# Altium PCB Copy of foxbms2-master.PcbDoc (part 9 of 11) (continued)
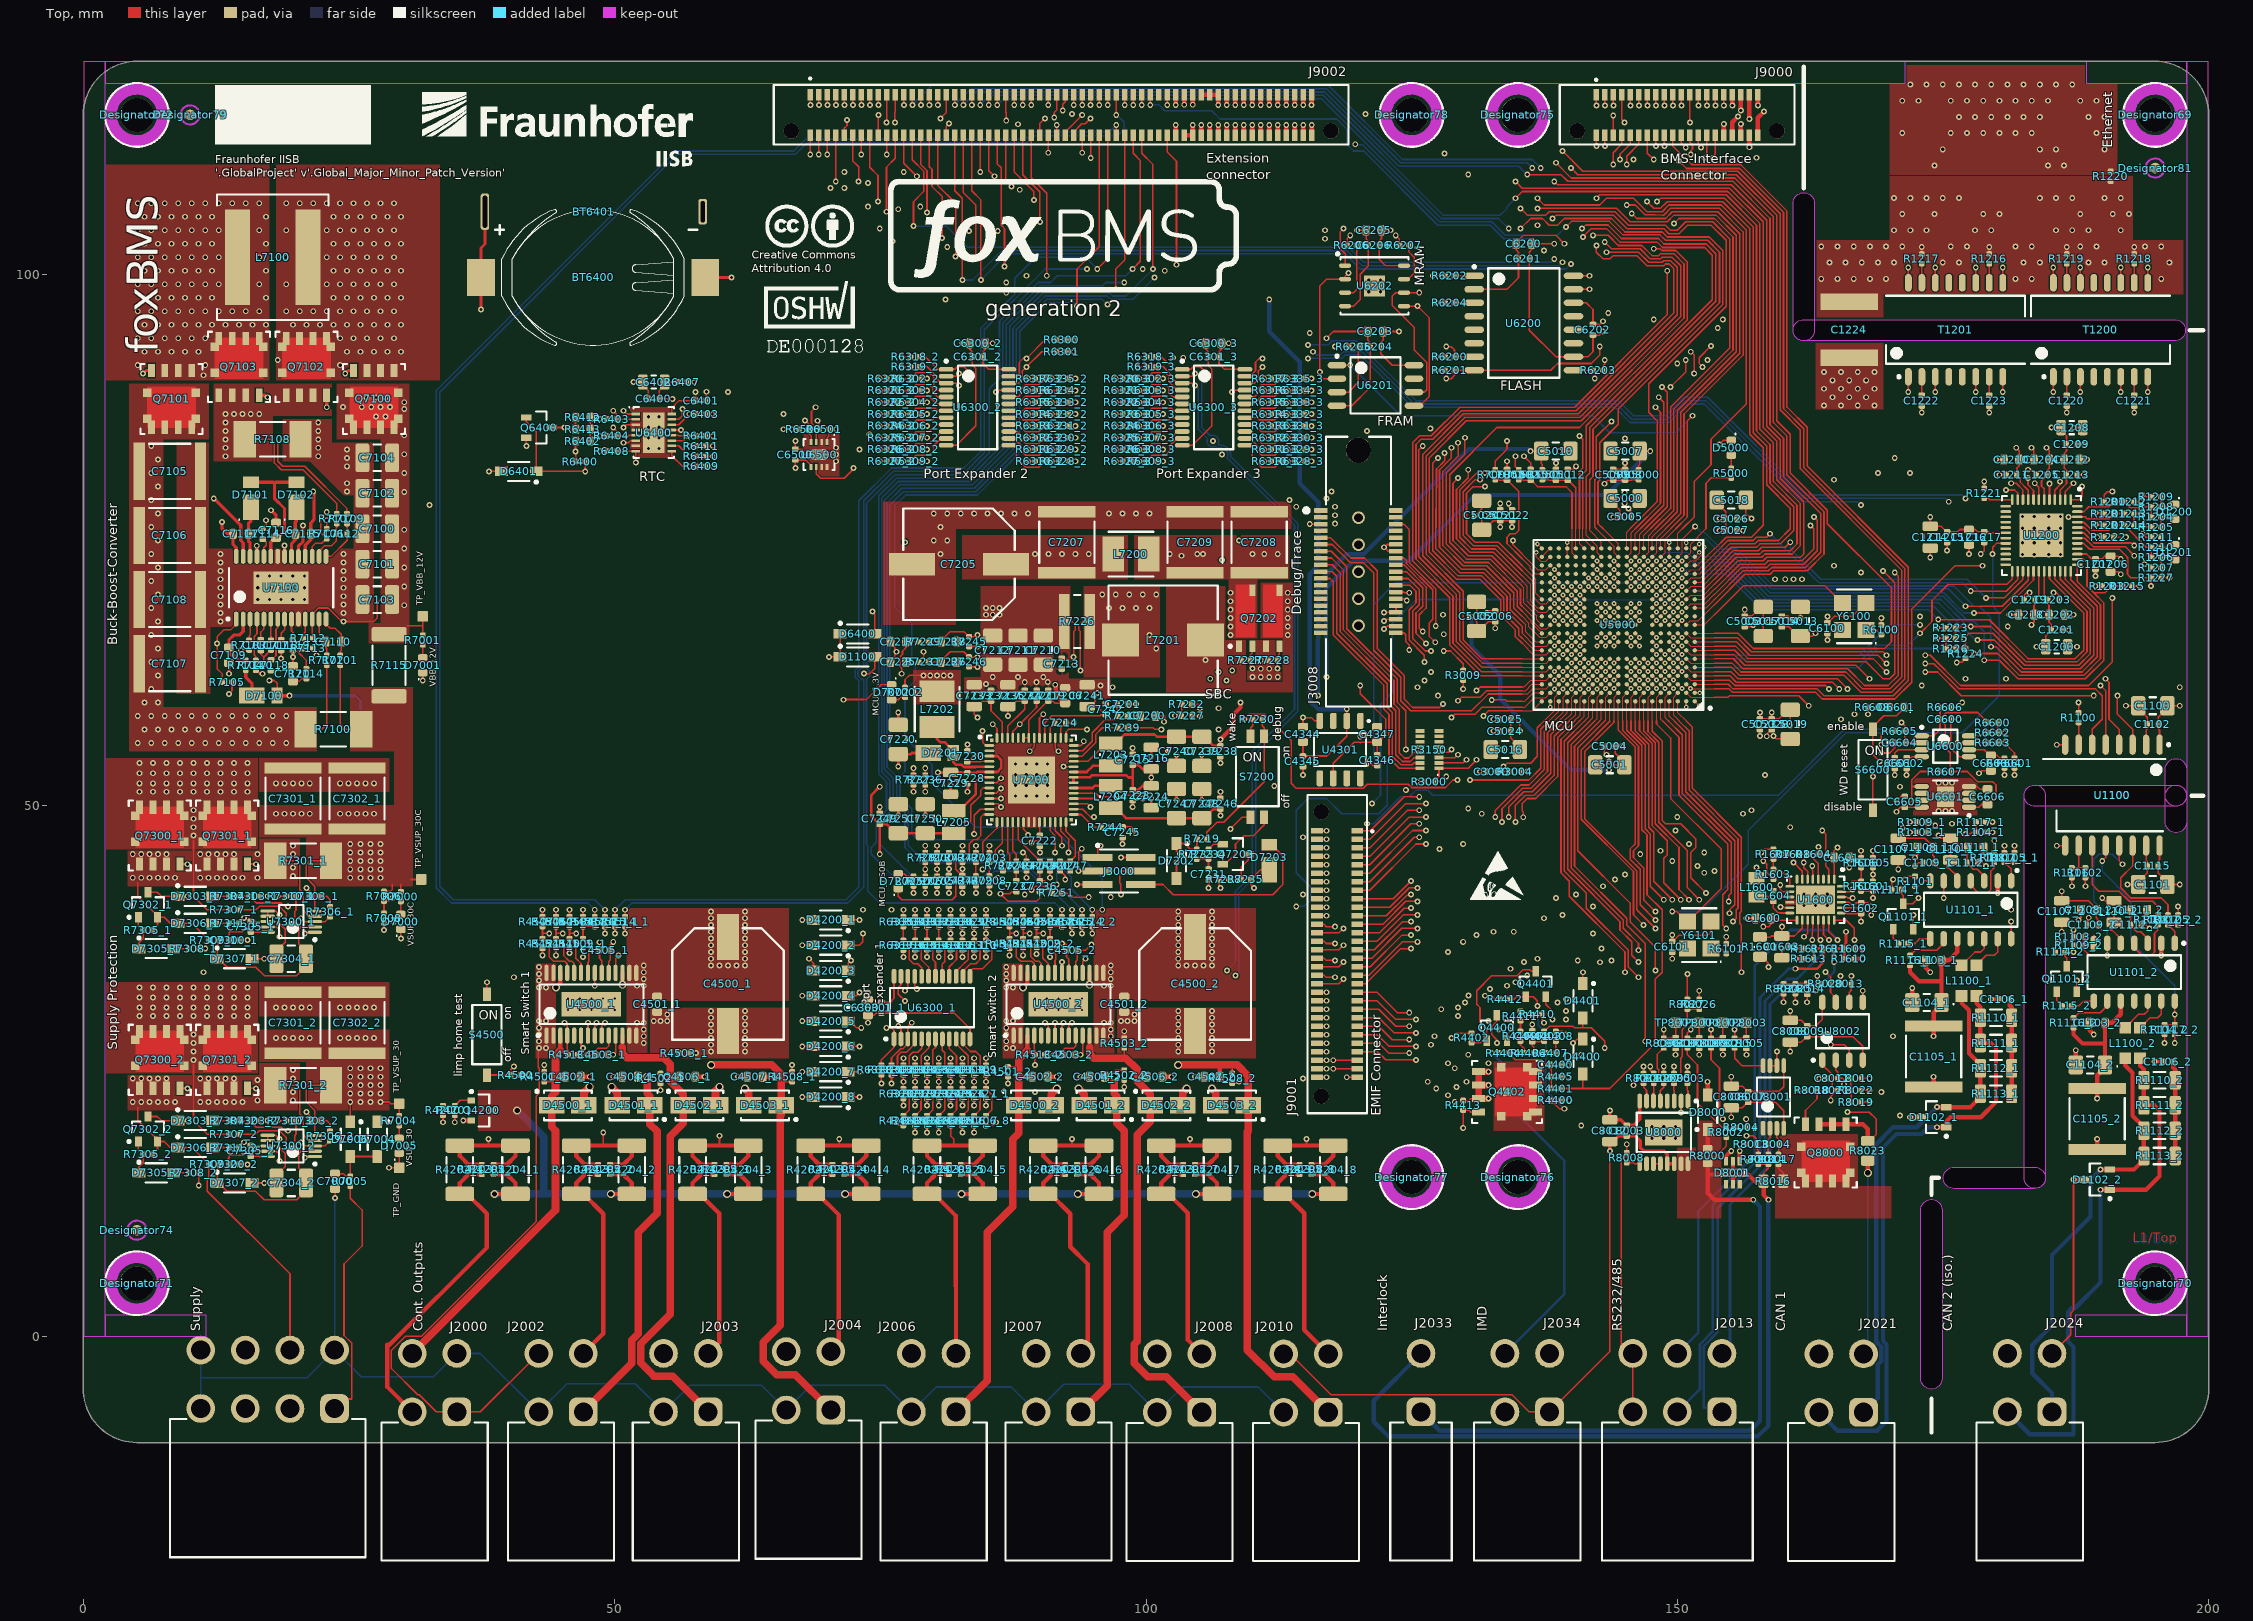
[diagram p0: Top view]
## Nets (pads, with @x,y where several pads share a name; then routed paths per layer and width w, separated by ;. In a path a pad name is that pad's centre, name@x,y a point inside that pad or via, vN(x,y) a via of type N, cw(c..) or ccw(c..) an arc to the next point about the centre after c; other vN are vias at no path point) (continued)
  Top w0.305: U7100.2@14.999,67.535 14.999,66.39 14.635,66.026 14.115,66.026 13.652,65.564 C7109.2@13.652,64.86 13.652,64.383 13.901,64.135 14.129,64.135 14.631,63.632 R7104.1@15.24,63.632
NetC7110_1: C7110.1 R7102.1 U7100.13 | length 3.7
  Top w0.152: U7100.13@22.149,67.535 22.149,66.126 22.77,65.505 C7110.1@22.77,65.405 22.77,64.828 22.86,64.738 R7102.1@22.86,64.109
NetC7110_2: C7110.2 R7101.1 U7100.14 | length 4.3
  Top w0.152: U7100.14@22.799,67.535 22.799,67.06 23.184,66.675 23.654,66.675 24.22,66.109 C7110.2@24.22,65.405 24.22,64.575 24.13,64.485 R7101.1@24.13,64.109
NetC7111_1: C7111.1 D7101.1 U7100.26 | length 4.8
  Top w0.305: U7100.26@15.649,73.435 15.649,74.72 15.489,74.88 C7111.1@15.489,75.565 15.489,76.52 15.716,76.747 D7101.1@15.716,78.049
NetC7111_2: C7111.2 L7100.1 Q7101.S Q7103.D U7100.28 | length 18.6
  Top w0.305: v2(13.018,76.676) 13.018,76.041 13.494,75.565 C7111.2@14.039,75.565 14.039,74.573 14.349,74.263 U7100.28@14.349,73.435
  Int1 (Sig) w0.305: v1(11.271,90.487) 11.906,89.852 11.906,82.074 13.018,80.962 v2(13.018,76.676)
  other v1: 5.08,91.44 11.43,91.44 5.715,92.71 6.985,92.71 8.255,92.71 9.525,92.71 10.795,92.71 5.08,93.98 6.35,93.98 7.62,93.98 8.89,93.98 10.16,93.98 11.43,93.98 5.715,95.25 6.985,95.25 8.255,95.25 9.525,95.25 10.795,95.25 12.065,95.25 13.335,95.25 14.605,95.25 15.875,95.25 17.145,95.25 5.08,96.52 6.35,96.52 7.62,96.52 8.89,96.52 10.16,96.52 11.43,96.52 12.7,96.52 13.97,96.52 15.24,96.52 16.51,96.52 5.715,97.79 6.985,97.79 8.255,97.79 9.525,97.79 10.795,97.79 12.065,97.79 17.145,97.79 5.08,99.06 6.35,99.06 7.62,99.06 8.89,99.06 10.16,99.06 11.43,99.06 12.7,99.06 16.51,99.06 5.715,100.33 6.985,100.33 8.255,100.33 9.525,100.33 10.795,100.33 12.065,100.33 17.145,100.33 5.08,101.6 6.35,101.6 7.62,101.6 8.89,101.6 10.16,101.6 11.43,101.6 12.7,101.6 16.51,101.6 5.715,102.87 6.985,102.87 8.255,102.87 9.525,102.87 10.795,102.87 12.065,102.87 17.145,102.87 5.08,104.14 6.35,104.14 7.62,104.14 8.89,104.14 10.16,104.14 11.43,104.14 12.7,104.14 16.51,104.14 5.715,105.41 6.985,105.41 8.255,105.41 9.525,105.41 10.795,105.41 12.065,105.41 17.145,105.41 5.08,106.68 6.35,106.68 7.62,106.68 8.89,106.68 10.16,106.68 11.43,106.68 12.7,106.68 13.97,106.68 15.24,106.68 16.51,106.68
NetC7112_1: C7112.1 R7109.2 U7100.15 | length 4.2
  Top w0.152: U7100.15@22.799,73.435 23.27,73.435 24.799,74.964 C7112.1@24.799,75.565 24.799,76.133 24.765,76.167 R7109.2@24.765,76.544
NetC7112_2: C7112.2 R7107.2 U7100.16 | length 4.2
  Top w0.152: U7100.16@22.149,73.435 22.149,73.91 22.692,74.454 23.336,74.454 23.779,74.896 C7112.2@23.779,75.565 23.779,76.133 23.812,76.167 R7107.2@23.812,76.544
NetC7113_1: C7113.1 U7100.8 | length 2.1
  Top w0.152: C7113.1@18.574,65.597 18.574,66.199 18.899,66.524 U7100.8@18.899,67.535
NetC7114_1: C7114.1 U7100.24 | length 1.9
  Top w0.152: C7114.1@16.828,75.055 16.877,75.055 17.171,74.761 17.171,74.48 16.949,74.257 U7100.24@16.949,73.435
NetC7115_1: C7115.1 D7102.1 U7100.20 | length 4.8
  Top w0.305: U7100.20@19.549,73.435 19.549,74.625 19.913,74.988 C7115.1@19.913,75.565 19.913,76.657 20.002,76.747 D7102.1@20.002,78.049
NetC7115_2: C7115.2 L7100.2 Q7100.S Q7102.D U7100.18 | length 20.2
  Top w0.305: U7100.18@20.849,73.435 20.849,74.476 21.361,74.988 21.362,74.988 C7115.2@21.362,75.565 21.362,76.573 21.663,76.873 21.663,79.461 v2(21.59,79.534)
  Int1 (Sig) w0.305: v1(18.256,91.916) 18.256,82.867 v2(21.59,79.534)
  other v1: 24.13,91.44 24.765,92.71 26.035,92.71 27.305,92.71 28.575,92.71 29.845,92.71 24.13,93.98 25.4,93.98 26.67,93.98 27.94,93.98 29.21,93.98 19.685,95.25 20.955,95.25 22.225,95.25 23.495,95.25 24.765,95.25 26.035,95.25 27.305,95.25 28.575,95.25 29.845,95.25 19.05,96.52 20.32,96.52 21.59,96.52 22.86,96.52 24.13,96.52 25.4,96.52 26.67,96.52 27.94,96.52 29.21,96.52 23.495,97.79 24.765,97.79 26.035,97.79 27.305,97.79 28.575,97.79 29.845,97.79 19.05,99.06 22.86,99.06 24.13,99.06 25.4,99.06 26.67,99.06 27.94,99.06 29.21,99.06 23.495,100.33 24.765,100.33 26.035,100.33 27.305,100.33 28.575,100.33 29.845,100.33 19.05,101.6 22.86,101.6 24.13,101.6 25.4,101.6 26.67,101.6 27.94,101.6 29.21,101.6 23.495,102.87 24.765,102.87 26.035,102.87 27.305,102.87 28.575,102.87 29.845,102.87 19.05,104.14 22.86,104.14 24.13,104.14 25.4,104.14 26.67,104.14 27.94,104.14 29.21,104.14 23.495,105.41 24.765,105.41 26.035,105.41 27.305,105.41 28.575,105.41 29.845,105.41 19.05,106.68 20.32,106.68 21.59,106.68 22.86,106.68 24.13,106.68 25.4,106.68 26.67,106.68 27.94,106.68 29.21,106.68
NetC7117_2: C7117.2 U7100.5 | length 2.1
  Top w0.152: C7117.2@16.669,65.598 16.669,66.327 16.949,66.607 U7100.5@16.949,67.535
NetC7118_2: C7118.2 U7100.7 | length 4.1
  Top w0.152: C7118.2@17.621,63.693 17.671,63.693 18.086,64.107 18.086,66.571 18.249,66.733 U7100.7@18.249,67.535
NetC7119_2: C7119.2 R7114.2 U7100.9 | length 5.3
  Top w0.152: U7100.9@19.549,67.535 19.549,66.413 19.685,66.277 C7119.2@19.685,65.598 19.735,65.598 20.173,65.16 20.173,64.415 20.955,63.633 R7114.2@20.955,62.839
NetC7120_2: C7120.2 R7114.1 | length 1.4
  Top w0.152: C7120.2@19.685,61.664 20.262,61.664 20.537,61.939 R7114.1@20.955,61.939
NetC7200_1: C7200.1 R7210.1 | length 1.2
  Top w0.152: R7210.1@98.24,58.42 C7200.1@99.446,58.42
NetC7201_1: C7201.1 R7210.2 U7200.41 | length 7.1
  Top w0.152: U7200.41@93.18,55.137 94.031,55.137 94.932,56.039 94.932,56.832 96.143,58.043 96.963,58.043 R7210.2@97.34,58.42 97.34,58.797 97.28,58.857 C7201.1@97.28,59.531
NetC7208_2: C7208.2 C7209.2 L7200.2 Q7202.7
  other v1: 107.95,66.04 107.95,66.834 107.95,67.627 107.95,68.421 107.95,69.215 107.95,70.009 103.341,73.496 102.235,73.66 104.821,73.66 105.364,73.66 110.014,73.66 111.125,73.66 112.395,73.66
NetC7214_1: C7214.1 U7200.46 | length 1.6
  Top w0.152: U7200.46@90.967,56.35 90.967,57.296 91.406,57.735 C7214.1@91.406,57.785
NetC7214_2: C7214.2 L7201.1 Q7202.1 Q7202.5 R7227.2 U7200.44 | length 22.3
  Top w0.152: U7200.44@91.967,56.35 91.967,57.276 92.426,57.735 C7214.2@92.426,57.785 v2(93.186,57.785) ; v2(105.6,63.69) L7201.1@105.6,65.564
  Int3 (Sig) w0.152: v1(93.267,63.227) 93.539,63.5 104.195,63.5 104.385,63.69 v2(105.6,63.69)
  Int1 (Sig) w0.152: v2(93.186,57.785) 93.186,59.891 93.267,59.972 v1(93.267,63.227)
  other v1: 113.347,66.04 113.347,66.834 113.347,67.627 113.347,68.421 113.347,69.215 113.347,70.009
NetC7227_2: C7227.2 R7232.1 U7200.38 | length 17.1
  Top w0.152: v2(92.234,53.657) 92.254,53.638 U7200.38@93.18,53.638 ; v2(102.731,58.431) 102.731,58.42 C7227.2@103.312,58.42 103.312,58.832 103.373,58.892 R7232.1@103.373,59.531
  Int3 (Sig) w0.152: v2(92.234,53.657) 98.108,53.657 100.013,55.562 101.6,55.562 v1(102.076,55.086)
  Int1 (Sig) w0.152: v1(102.076,55.086) 102.076,56.592 102.731,57.247 v2(102.731,58.431)
NetC7231_2: C7231.2 R7233.1 R7234.1 | length 2.1
  Top w0.152: R7233.1@104.775,44.953 R7234.1@105.886,44.953 C7231.2@105.886,44.008
NetC7244_2: C7244.2 D7200.1 R7242.1 R7243.1 U7200.14 | length 18.6
  Top w0.152: D7200.1@76.676,42.162 76.676,41.434 76.994,41.116 81.756,41.116 82.074,41.434 82.074,42.814 C7244.2@82.659,43.399 ; R7243.1@81.439,45.535 82.074,44.9 82.074,43.984 C7244.2@82.659,43.399 ; U7200.14@85.255,49.137 84.697,49.137 84.455,48.895 84.455,47.158 84.05,46.753 83.742,46.753 83.344,46.355 83.344,45.27 R7242.1@82.709,44.635 v2(82.709,44.017) C7244.2@82.709,43.399 C7244.2@82.659,43.399
NetC7300_1_1: C7300_1.1 D7306_1.2 R7310_1.1 R7311_1.2 U7300_1.9 | length 14
  Top w0.152: D7306_1.2@12.113,38.894 R7311_1.2@13.679,38.894 13.679,38.1 ; C7300_1.1@13.619,37.306 13.619,37.749 13.679,37.809 13.679,38.1 ; v2(18.256,41.434) R7310_1.1@19.076,41.434 ; v2(18.415,37.624) 18.415,38.259 18.121,38.552 U7300_1.9@17.301,38.552 16.525,38.552 16.501,38.576 15.399,38.576 14.922,38.1 13.679,38.1
  Int1 (Sig) w0.152: v2(18.256,41.434) 17.78,40.957 17.78,38.259 v2(18.415,37.624)
NetC7300_2_1: C7300_2.1 D7306_2.2 R7310_2.1 R7311_2.2 U7300_2.9 | length 13.9
  Top w0.152: D7306_2.2@12.113,17.78 R7311_2.2@13.679,17.78 13.679,17.066 ; C7300_2.1@13.619,16.192 13.619,16.794 13.679,16.854 13.679,17.066 ; v2(18.256,20.32) R7310_2.1@19.076,20.32 ; v2(18.415,16.51) 18.415,17.145 18.121,17.439 U7300_2.9@17.301,17.439 16.525,17.439 16.501,17.462 15.399,17.462 15.002,17.066 13.679,17.066
  Int1 (Sig) w0.152: v2(18.256,20.32) 17.78,19.844 17.78,17.145 v2(18.415,16.51)
NetC7303_1_2: C7303_1.2 R7306_1.1 | length 1.7
  Top w0.152: C7303_1.2@22.259,41.434 22.86,41.434 23.177,41.116 R7306_1.1@23.177,40.429
NetC7303_2_2: C7303_2.2 R7306_2.1 | length 1.7
  Top w0.152: C7303_2.2@22.259,20.32 22.86,20.32 23.177,20.002 R7306_2.1@23.177,19.315
NetC7304_1_2: C7304_1.2 D7307_1.1 R7309_1.1 R7310_1.2 U7300_1.2 | length 19.8
  Top w0.152: R7309_1.1@12.674,37.306 12.674,36.93 12.541,36.797 D7307_1.1@12.541,35.56 12.696,35.56 13.49,34.766 16.192,34.766 16.986,33.972 20.039,33.972 20.926,34.86 C7304_1.2@20.926,35.56 20.926,36.26 20.224,36.962 20.224,38.322 20.455,38.552 ; R7310_1.2@19.976,41.434 19.976,40.138 19.844,40.005 19.844,39.164 20.455,38.552 ; U7300_1.2@21.751,38.552 20.455,38.552
NetC7304_2_2: C7304_2.2 D7307_2.1 R7309_2.1 R7310_2.2 U7300_2.2 | length 19.8
  Top w0.152: R7309_2.1@12.674,16.192 12.674,15.816 12.541,15.683 D7307_2.1@12.541,14.446 12.696,14.446 13.49,13.652 16.192,13.652 16.986,12.859 20.039,12.859 20.926,13.746 C7304_2.2@20.926,14.446 20.926,15.146 20.224,15.848 20.224,17.208 20.455,17.439 ; R7310_2.2@19.976,20.32 19.976,19.024 19.844,18.891 19.844,18.05 20.455,17.439 ; U7300_2.2@21.751,17.439 20.455,17.439
NetC7305_1_2: C7305_1.2 U7300_1.10 | length 1.6
  Top w0.152: C7305_1.2@15.716,38.066 16.511,38.066 16.525,38.052 U7300_1.10@17.301,38.052
NetC7305_2_2: C7305_2.2 U7300_2.10 | length 1.6
  Top w0.152: C7305_2.2@15.716,16.952 16.511,16.952 16.525,16.939 U7300_2.10@17.301,16.939
NetC8004_1: C8004.1 R8017.1 U8001.3 | length 2.6
  Top w0.152: U8001.3@159.393,19.593 159.393,18.725 159.577,18.54 C8004.1@159.577,18.098 159.577,17.529 159.544,17.495 R8017.1@159.544,17.119 R8017.1@159.561,17.136
NetC8004_2: C8004.2 R8014.1 U8001.2 | length 2.6
  Top w0.152: R8014.1@158.591,17.119 158.591,17.495 158.557,17.529 C8004.2@158.557,18.098 158.557,18.54 158.743,18.725 U8001.2@158.743,19.593
NetC8010_2: C8010.2 R8019.2 R8021.1 R8022.2 U8002.3 | length 13
  Top w0.152: v2(164.465,22.225) 164.465,22.595 R8021.1@165.048,23.177 R8022.2@166.396,23.177 ; v2(164.465,27.464) 165.735,27.464 166.211,26.987 U8002.3@166.211,26.009 ; R8019.2@166.396,22.066 R8022.2@166.396,23.177 ; C8010.2@166.396,24.229 C8010.2@166.336,24.289 166.336,23.688 166.396,23.628 R8022.2@166.396,23.177
  Int1 (Sig) w0.152: v2(164.465,22.225) v2(164.465,27.464)
NetC8011_1: C8011.1 C8013.1 Q8000.S R8023.1 U8002.2 U8002.6 | length 32.2
  Top w0.152: U8002.2@164.941,26.009 164.941,25.082 165.134,24.89 C8011.1@165.134,24.289 165.576,24.289 165.719,24.146 v2(165.719,23.732) ; v1(166.052,21.114) 168.097,21.114 168.732,20.479 168.732,18.987 168.132,18.387 R8023.1@167.957,18.387 ; U8002.6@166.211,31.459 166.211,32.385 166.404,32.577 C8013.1@166.404,33.179 v2(166.404,33.939)
  Top w0.406: Q8000.S@163.512,19.979 164.782,19.979 Q8000.S@166.052,19.979 ; Q8000.S@165.894,19.979 167.505,19.979 167.957,19.526 R8023.1@167.957,18.387
  Int1 (Sig) w0.152: v1(166.052,21.114) 165.719,21.448 v2(165.719,23.732) 166.404,24.417 166.404,30.514 168.275,32.385 168.275,33.125 167.461,33.939 v2(166.404,33.939)
NetC8014_2: C8014.2 R8024.2 R8025.2 U8002.5 | length 8.9
  Top w0.152: R8024.2@160.02,33.179 R8025.2@161.131,33.179 161.508,33.179 161.568,33.239 C8014.2@162.243,33.239 162.292,33.239 162.987,32.544 v1(163.036,32.544) ; U8002.5@167.481,31.459 v1(167.481,32.544)
  Int3 (Sig) w0.152: v1(163.036,32.544) v1(167.481,32.544)
NetD5000_2: D5000.2 R5000.1 | length 1.2
  Top w0.152: R5000.1@155.099,81.73 D5000.2@155.099,82.961
NetD6401_1: D6401.1 Q6400.G R6400.1 U6400.13 | length 23.3
  Top w0.152: Q6400.G@41.662,86.516 41.662,86.115 42.593,85.185 D6401.1@42.593,81.439 47.19,81.439 v2(47.201,81.428) 47.205,81.433 R6400.1@47.205,82.356 ; U6400.13@55.348,85.34 55.849,85.34 55.851,85.338 v2(56.23,85.338)
  Int1 (Sig) w0.152: v2(47.201,81.428) 53.647,81.428 56.197,83.979 56.197,85.305 v2(56.23,85.338)
NetD6601_2: D6601.2 R6608.1 | length 1.1
  Top w0.152: R6608.1@168.884,59.214 D6601.2@169.956,59.214
NetD7000_2: D7000.2 R7000.1 | length 1.2
  Top w0.152: D7000.2@29.845,39.726 R7000.1@29.845,40.957
NetD7001_2: D7001.2 R7001.1 | length 1.2
  Top w0.152: D7001.2@31.909,63.882 R7001.1@31.909,65.114
NetD7002_2: D7002.2 R7002.1 | length 1.4
  Top w0.152: D7002.2@76.041,59.943 76.685,59.943 76.935,60.193 R7002.1@77.311,60.193
NetD7005_2: D7005.2 R7004.1 | length 1.2
  Top w0.152: D7005.2@29.686,18.639 R7004.1@29.686,19.87
NetD7100_1: D7100.1 R7104.2 | length 2.6
  Top w0.305: R7104.2@15.24,62.732 15.24,62.071 15.819,61.493 D7100.1@15.819,60.325
NetD7200_2: D7200.2 R7250.1 | length 1.5
  Top w0.152: D7200.2@76.676,43.562 77.228,43.562 77.478,43.312 R7250.1@78.105,43.312
NetD7201_2: D7201.2 L7202.1 U7200.5 | length 7.8
  Top w0.254: L7202.1@80.328,57.38 80.328,56.253 80.645,55.936 81.069,55.936 81.853,55.152 D7201.2@81.853,54.927 81.853,54.076 82.112,53.816 82.652,53.816 82.856,53.611 83.933,53.611 83.959,53.638 U7200.5@85.255,53.638
NetD7202_1: D7202.1 Q7203.S R7219.1 R7233.2 S7200.2 | length 15.8
  Top w0.152: v2(103.188,45.402) 103.158,45.402 102.87,45.691 D7202.1@102.87,46.403 103.616,46.403 104.166,45.853 R7233.2@104.775,45.853 104.775,46.355 104.827,46.407 R7219.1@104.827,46.831 ; v2(106.998,45.402) 107.226,45.174 Q7203.S@107.226,44.453 107.426,44.453 108.426,45.453 108.426,46.355 109.22,47.149 110.115,47.149 111.125,48.158 S7200.2@111.125,48.895
  Int3 (Sig) w0.152: v2(103.188,45.402) v2(106.998,45.402)
NetD7303_1_1: D7303_1.1 Q7300_1.G Q7302_1.C | length 7.6
  Top w0.152: Q7302_1.C@6.032,41.815 6.921,41.815 7.302,41.434 D7303_1.1@8.842,41.434 v1(9.764,41.434) ; Q7300_1.G@9.049,44.474 9.741,44.474 v1(9.764,44.45)
  Int1 (Sig) w0.152: v1(9.764,41.434) v1(9.764,44.45)
NetD7303_1_2: D7303_1.2 R7304_1.2 | length 1.6
  Top w0.152: D7303_1.2@12.113,41.434 R7304_1.2@13.679,41.434
NetD7303_2_1: D7303_2.1 Q7300_2.G Q7302_2.C | length 7.6
  Top w0.152: Q7302_2.C@6.032,20.701 6.921,20.701 7.302,20.32 D7303_2.1@8.842,20.32 v1(9.764,20.32) ; Q7300_2.G@9.049,23.36 9.741,23.36 v1(9.764,23.336)
  Int1 (Sig) w0.152: v1(9.764,20.32) v1(9.764,23.336)
NetD7303_2_2: D7303_2.2 R7304_2.2 | length 1.6
  Top w0.152: D7303_2.2@12.113,20.32 R7304_2.2@13.679,20.32
NetD7305_1_1: D7305_1.1 Q7302_1.B R7305_1.1 | length 3.3
  Top w0.152: Q7302_1.B@5.132,39.465 5.132,38.709 R7305_1.1@5.583,38.259 5.583,37.46 5.191,37.069 D7305_1.1@5.191,36.512
NetD7305_1_2: D7305_1.2 R7308_1.2 | length 1.4
  Top w0.152: D7305_1.2@8.461,36.512 R7308_1.2@9.869,36.512
NetD7305_2_1: D7305_2.1 Q7302_2.B R7305_2.1 | length 3.3
  Top w0.152: Q7302_2.B@5.132,18.351 5.132,17.595 R7305_2.1@5.583,17.145 5.583,16.347 5.191,15.955 D7305_2.1@5.191,15.399
NetD7305_2_2: D7305_2.2 R7308_2.2 | length 1.4
  Top w0.152: D7305_2.2@8.461,15.399 R7308_2.2@9.869,15.399
NetD8000_1: D8000.1 R8000.2 | length 1.8
  Top w0.406: R8000.2@152.876,17.686 D8000.1@152.876,19.479
NetL1100_1_2: L1100_1.2 U1101_1.12 | length 3.7
  Top w0.152: L1100_1.2@176.782,34.941 178.036,36.195 178.594,36.195 178.911,36.512 U1101_1.12@178.911,37.439
NetL1100_1_3: L1100_1.3 U1101_1.13 | length 3.8
  Top w0.152: L1100_1.3@178.182,34.941 179.119,35.877 179.864,35.877 180.181,36.195 U1101_1.13@180.181,37.439
NetL1100_2_2: L1100_2.2 U1101_2.12 | length 3.7
  Top w0.152: L1100_2.2@192.181,29.067 193.435,30.321 193.992,30.321 194.31,30.639 U1101_2.12@194.31,31.565
NetL1100_2_3: L1100_2.3 U1101_2.13 | length 3.8
  Top w0.152: L1100_2.3@193.581,29.067 194.518,30.004 195.262,30.004 195.58,30.321 U1101_2.13@195.58,31.565
NetL7201_2: L7201.2 R7226.1 U7200.42 | length 13.7
  Top w0.152: U7200.42@93.18,55.638 93.896,55.638 94.139,55.88 v2(94.139,56.039) ; v2(93.821,62.706) 93.821,66.358 93.662,66.516 93.662,66.992 93.98,67.31 R7226.1@94.704,67.31
  Int1 (Sig) w0.152: v2@93.821,62.865 v2(93.821,62.706) 93.821,56.832 94.139,56.515 v2(94.139,56.039)
  other v1: 100.965,64.77 100.33,66.04 96.52,68.58 97.79,68.58 99.06,68.58 100.33,68.58 95.885,69.85 97.155,69.85 98.425,69.85 99.695,69.85 100.965,69.85
NetL7203_1: L7203.1 U7200.37 | length 3.7
  Top w0.254: U7200.37@93.18,53.138 94.413,53.138 94.989,53.714 L7203.1@96.679,53.714
NetL7204_1: L7204.1 U7200.34 | length 3.6
  Top w0.254: U7200.34@93.18,51.637 94.976,51.637 95.194,51.855 L7204.1@96.679,51.855
NetL7205_1: L7205.1 U7200.7 | length 5.3
  Top w0.254: L7205.1@81.915,49.474 82.38,49.474 83.979,51.072 83.979,52.229 84.387,52.637 U7200.7@85.255,52.637
NetQ1101_1_G: Q1101_1.G R1115_1.1 | length 1.5
  Top w0.152: Q1101_1.G@170.341,38.329 170.341,37.626 170.339,37.624 170.339,37.491 R1115_1.1@170.841,36.989
NetQ1101_2_D: Q1101_2.D R1114_2.2 | length 1.4
  Top w0.152: R1114_2.2@186.505,36.195 186.505,35.818 186.69,35.633 Q1101_2.D@186.69,34.855
NetQ1101_2_G: Q1101_2.G R1115_2.1 | length 1.5
  Top w0.152: Q1101_2.G@185.74,32.455 185.74,31.752 185.737,31.75 185.737,31.618 R1115_2.1@186.24,31.115
NetQ4200_G: Q4200.G R4200.2 R4201.2 | length 2.9
  Top w0.152: R4200.2@33.814,21.723 R4201.2@34.925,21.723 35.425,22.223 Q4200.G@36.481,22.223
NetQ4400_D: Q4400.D Q4402.G R4413.2 | length 17
  Top w0.152: v1(129.857,19.607) R4413.2@129.857,21.299 130.398,21.299 130.583,21.114 Q4402.G@131.31,21.114 ; v1(133.032,27.622) 133.032,27.94 132.556,28.416 132.556,29.173 133.032,29.65 Q4400.D@133.032,30.251
  Int1 (Sig) w0.152: v1(129.857,19.607) 131.684,19.607 133.509,21.431 133.509,27.146 v1(133.032,27.622)
NetQ4400_G: Q4400.G Q4401.D R4402.1 | length 13
  Top w0.152: R4402.1@130.651,27.649 131.478,27.649 131.681,27.851 Q4400.G@132.082,27.851 132.082,28.89 131.445,29.527 131.445,30.956 131.127,31.274 131.127,32.544 132.556,33.972 134.938,33.972 135.492,34.527 136.134,34.527 136.282,34.379 Q4401.D@136.684,34.379
NetQ4401_G: Q4401.G R4400.2 R4412.2 | length 15.6
  Top w0.152: R4412.2@134.276,31.75 134.653,31.75 134.882,31.979 Q4401.G@135.734,31.979 136.455,31.979 136.843,31.591 v1(136.843,31.115) ; R4400.2@138.139,22.225 138.932,21.431 v1(139.382,21.431)
  Bottom w0.152: v1(136.843,31.115) 136.843,29.853 136.923,29.773 136.923,29.298 137.636,28.585 137.636,23.177 v1(139.382,21.431)
NetQ7100_G: Q7100.G U7100.19 | length 20
  Top w0.305: U7100.19@20.199,73.435 20.199,74.401 20.637,74.84 v2(20.637,76.359) ; v1(24.606,90.646) 24.9,90.94 Q7100.G@25.4,90.94
  Int1 (Sig) w0.305: v2(20.637,76.359) 20.637,76.517 23.654,79.534 23.654,89.694 v1(24.606,90.646)
NetQ7101_G: Q7101.G U7100.27 | length 22
  Top w0.305: v1(5.556,90.646) 5.85,90.94 Q7101.G@6.35,90.94 ; v2(12.224,78.899) 14.764,76.359 14.764,74.93 14.999,74.695 U7100.27@14.999,73.435
  Int1 (Sig) w0.305: v1(5.556,90.646) 5.556,85.566 v2(12.224,78.899)
NetQ7102_G: Q7102.G U7100.21 | length 16.8
  Top w0.305: v2(18.891,74.454) 18.899,74.446 U7100.21@18.899,73.435 ; v1(22.86,87.471) Q7102.G@22.86,88.606
  Int1 (Sig) w0.305: v2(18.891,74.454) 18.891,75.724 22.86,79.692 v1(22.86,87.471)
NetQ7102_S: Q7102.S Q7103.S R7107.1 R7108.2 | length 13.3
  Top w0.152: R7108.2@15.155,84.455 17.621,84.455 17.939,84.138 17.939,82.233 18.574,81.597 20.637,81.597 23.812,78.422 R7107.1@23.812,77.444
  other v1: 13.335,82.867 13.335,83.661 13.335,84.455 13.335,85.249 13.335,86.042 13.335,86.836 14.129,86.836 14.922,86.836 15.716,86.836 16.51,86.836
NetQ7103_G: Q7103.G U7100.25 | length 16.5
  Top w0.305: v2(16.279,74.433) v2@16.279,74.487 ; v2@16.279,74.526 v2@16.279,74.487 ; U7100.25@16.299,73.435 16.299,74.506 v2@16.279,74.487 ; v2@16.305,74.466 v2@16.311,74.472 ; Q7103.G@16.51,88.606 17.055,88.606 17.237,88.424 v1(17.304,88.424)
  Int1 (Sig) w0.305: v2(16.279,74.433) 16.279,77.557 17.304,78.581 v1(17.304,88.424)
NetQ7202_2: Q7202.2 R7227.1 U7200.45 | length 28.1
  Top w0.152: U7200.45@91.468,56.35 91.468,55.376 v2(91.757,55.086) ; v2(110.014,62.891) 109.829,62.891 109.829,64.166 110.014,64.351 Q7202.2@110.014,64.978
  Int3 (Sig) w0.152: v2(91.757,55.086) 96.361,55.086 99.727,58.452 101.886,58.452 102.235,58.102 102.235,58.092 102.499,57.828 104.863,57.828 105.322,57.828 105.453,57.828 106.8,59.175 v1(106.839,59.136) ; v1(106.839,62.547) 107.183,62.891 107.565,62.891 107.565,62.925 107.89,63.25 108.349,63.25 108.674,62.925 108.674,62.891 v2(110.014,62.891)
  Int1 (Sig) w0.152: v1(106.839,59.136) v1(106.839,62.547)
NetQ7202_4: Q7202.4 R7228.2 U7200.43 | length 27.2
  Top w0.152: U7200.43@92.468,56.35 92.468,56.908 92.71,57.15 v2(94.456,57.15) ; v2(112.369,62.891) R7228.2@112.369,63.659 112.369,64.035 112.554,64.22 Q7202.4@112.554,64.978
  Int3 (Sig) w0.152: v1(96.837,61.119) 104.457,61.119 107.591,64.253 111.007,64.253 v2(112.369,62.891)
  Int1 (Sig) w0.152: v2(94.456,57.15) 94.456,58.737 v1(96.837,61.119)
NetQ7203_D: Q7203.D R7235.2 R7238.2 | length 3.8
  Top w0.152: R7238.2@107.791,43.021 R7235.2@108.955,43.021 108.955,44.185 109.626,44.856 Q7203.D@109.626,45.402
NetQ7203_G: Q7203.G R7234.2 | length 1.5
  Top w0.152: R7234.2@105.886,45.853 106.386,46.353 Q7203.G@107.226,46.353
NetQ7300_1_D: Q7300_1.D Q7301_1.D R7307_1.2 | length 9.1
  Top w0.152: 10.319,46.672 10.319,41.434 11.589,40.164 R7307_1.2@13.679,40.164
  other v1: 10.319,47.149 10.319,47.942 10.319,48.736 10.319,49.53 5.239,51.276 6.509,51.276 7.779,51.276 9.049,51.276 10.319,51.276 11.589,51.276 12.859,51.276 14.129,51.276 15.399,51.276 5.239,52.07 6.509,52.07 7.779,52.07 9.049,52.07 10.319,52.07 11.589,52.07 12.859,52.07 14.129,52.07 15.399,52.07 5.239,53.023 6.509,53.023 7.779,53.023 9.049,53.023 10.319,53.023 11.589,53.023 12.859,53.023 14.129,53.023 15.399,53.023 5.239,53.975 6.509,53.975 7.779,53.975 9.049,53.975 10.319,53.975 11.589,53.975 12.859,53.975 14.129,53.975 15.399,53.975
NetQ7300_2_D: Q7300_2.D Q7301_2.D R7307_2.2 | length 9.1
  Top w0.152: 10.319,25.559 10.319,20.32 11.589,19.05 R7307_2.2@13.679,19.05
  other v1: 10.319,26.035 10.319,26.829 10.319,27.622 10.319,28.416 5.239,30.162 6.509,30.162 7.779,30.162 9.049,30.162 10.319,30.162 11.589,30.162 12.859,30.162 14.129,30.162 15.399,30.162 5.239,30.956 6.509,30.956 7.779,30.956 9.049,30.956 10.319,30.956 11.589,30.956 12.859,30.956 14.129,30.956 15.399,30.956 5.239,31.909 6.509,31.909 7.779,31.909 9.049,31.909 10.319,31.909 11.589,31.909 12.859,31.909 14.129,31.909 15.399,31.909 5.239,32.861 6.509,32.861 7.779,32.861 9.049,32.861 10.319,32.861 11.589,32.861 12.859,32.861 14.129,32.861 15.399,32.861
NetQ7301_1_G: Q7301_1.G R7303_1.2 | length 5.5
  Top w0.152: Q7301_1.G@15.399,44.474 16.169,44.474 v1(16.192,44.45) ; R7303_1.2@16.484,41.434 v1(17.304,41.434)
  Int1 (Sig) w0.152: v1(16.192,44.45) 15.716,43.974 15.716,43.021 v1(17.304,41.434)
NetQ7301_1_S: Q7301_1.S R7301_1.1 U7300_1.4 | length 8.2
  Top w0.152: R7301_1.1@18.012,44.767 20.002,44.767 20.32,44.45 20.32,42.057 20.637,41.739 20.637,40.141 21.226,39.552 U7300_1.4@21.751,39.552
  other v1: 10.954,43.18 11.747,43.18 12.541,43.18 13.335,43.18 14.129,43.18 14.922,43.18 16.351,43.18 19.685,43.339 19.685,44.133 10.954,45.402 11.747,45.402 12.541,45.402 13.335,45.402 14.129,45.402 16.351,45.402 19.685,45.402 19.685,46.196
NetQ7301_2_G: Q7301_2.G R7303_2.2 | length 5.5
  Top w0.152: Q7301_2.G@15.399,23.36 16.169,23.36 v1(16.192,23.336) ; R7303_2.2@16.484,20.32 v1(17.304,20.32)
  Int1 (Sig) w0.152: v1(16.192,23.336) 15.716,22.86 15.716,22.416 15.731,22.401 15.731,21.893 v1(17.304,20.32)
NetQ7301_2_S: Q7301_2.S R7301_2.1 U7300_2.4 | length 8.2
  Top w0.152: R7301_2.1@18.012,23.654 20.002,23.654 20.32,23.336 20.32,20.943 20.637,20.625 20.637,19.027 21.226,18.439 U7300_2.4@21.751,18.439
  other v1: 10.954,22.066 11.747,22.066 12.541,22.066 13.335,22.066 14.129,22.066 14.922,22.066 16.351,22.225 19.685,22.225 19.685,23.019 16.351,24.13 10.954,24.289 11.747,24.289 12.541,24.289 13.335,24.289 14.129,24.289 19.685,24.289 19.685,25.082
NetQ8000_D: Q8000.D R8016.2 R8017.2 | length 1.8
  Top w0.152: R8017.2@159.544,16.219 159.544,15.842 159.992,15.393 R8016.2@159.992,14.605
NetQ8000_G: Q8000.G R8018.1 R8021.2 U8002.1 | length 8
  Top w0.152: Q8000.G@162.084,19.979 162.084,21.273 163.169,22.357 R8018.1@163.169,23.177 R8021.2@164.147,23.177 164.624,23.654 164.624,24.631 163.671,25.584 U8002.1@163.671,26.009
NetR1100_1: R1100.1 U1100.7 | length 2.1
  Top w0.152: U1100.7@187.801,55.709 R1100.1@187.801,57.811
NetR1101_1: R1101.1 U1101_1.7 | length 1.6
  Top w0.152: R1101.1@172.403,42.413 172.779,42.413 173.255,42.889 U1101_1.7@173.831,42.889
NetR1105_1_1: R1105_1.1 R1107_1.2 U1101_1.1 | length 3
  Top w0.152: U1101_1.1@181.451,42.889 181.451,44 R1107_1.2@180.816,44.635 181.193,44.635 R1105_1.1@181.769,44.635
NetR1105_2_1: R1105_2.1 R1107_2.2 U1101_2.1 | length 3
  Top w0.152: U1101_2.1@196.85,37.015 196.85,38.126 R1107_2.2@196.215,38.761 196.592,38.761 R1105_2.1@197.167,38.761
NetR1108_1_2: R1108_1.2 U1101_1.4 | length 5.9
  Top w0.152: U1101_1.4@177.641,43.314 U1101_1.4@177.641,42.889 177.641,42.464 178.354,41.751 179.229,41.751 179.546,42.069 179.546,43.815 179.864,44.133 R1108_1.2@179.864,44.635
NetR1108_2_2: R1108_2.2 U1101_2.4 | length 5.9
  Top w0.152: U1101_2.4@193.04,37.44 U1101_2.4@193.04,37.015 193.04,36.59 193.753,35.877 194.627,35.877 194.945,36.195 194.945,37.941 195.262,38.259 R1108_2.2@195.262,38.761
NetR1115_1_2: R1115_1.2 U1101_1.8 | length 2.3
  Top w0.152: R1115_1.2@171.741,36.989 172.403,36.989 172.853,37.439 U1101_1.8@173.831,37.439
NetR1115_2_2: R1115_2.2 U1101_2.8 | length 2.3
  Top w0.152: R1115_2.2@187.14,31.115 187.801,31.115 188.251,31.565 U1101_2.8@189.23,31.565
NetR1116_1_1: R1116_1.1 U1101_1.9 | length 4.1
  Top w0.152: R1116_1.1@171.926,35.851 172.429,36.354 174.441,36.354 175.101,37.014 U1101_1.9@175.101,37.439
NetR1116_2_1: R1116_2.1 U1101_2.9 | length 4.1
  Top w0.152: R1116_2.1@187.325,29.977 187.828,30.48 189.84,30.48 190.5,31.14 U1101_2.9@190.5,31.565
NetR1216_2: R1216.2 T1201.10 | length 1.8
  Top w0.152: T1201.10@179.387,99.199 R1216.2@179.387,100.991
NetR1217_2: R1217.2 T1201.15 | length 1.8
  Top w0.152: T1201.15@173.037,99.199 R1217.2@173.037,100.991
NetR1218_2: R1218.2 T1200.10 | length 1.8
  Top w0.152: T1200.10@193.04,99.199 R1218.2@193.04,100.991
NetR1219_2: R1219.2 T1200.15 | length 1.8
  Top w0.152: T1200.15@186.69,99.199 R1219.2@186.69,100.991
NetR1221_2: R1221.2 U1200.12 | length 2.7
  Top w0.152: R1221.2@178.911,78.925 179.288,78.925 179.432,78.781 U1200.12@181.559,78.781
NetR1601_1: R1601.1 R1605.2 U1600.27 | length 5
  Top w0.152: U1600.27@165.461,41.866 166.255,41.866 166.457,42.069 v2(166.529,42.069) ; R1601.1@168.434,42.836 v2(168.434,43.497) R1605.2@168.434,44.159
  Int1 (Sig) w0.152: v2(166.529,42.069) 167.005,42.069 v2(168.434,43.497)
NetR1602_1: R1602.1 R1606.2 U1600.28 | length 3.4
  Top w0.152: U1600.28@165.461,42.366 165.988,42.366 166.458,42.836 R1602.1@167.322,42.836 R1606.2@167.322,44.159
NetR1603_1: R1603.1 R1607.2 U1600.9 | length 3.6
  Top w0.152: R1607.2@159.067,44.952 R1603.1@159.067,43.947 159.729,43.947 160.611,43.065 U1600.9@160.611,42.366
NetR1604_1: R1604.1 R1608.2 U1600.4 | length 3.7
  Top w0.152: R1608.2@161.396,45.402 R1604.1@162.401,45.402 163.286,44.518 U1600.4@163.286,43.041
NetR4202_1_1: R4202_1.1 R4203_1.1 R4204_1.2 R4205_1.2 R4206_1.2 | length 52.4
  Top w0.152: 38.1,17.965 v2(38.1,18.574) ; v1(76.359,20.161) 76.65,19.87 R4206_1.2@77.153,19.87
  Top w0.406: R4203_1.1@37.465,16.166 36.221,16.166 35.401,16.986 R4202_1.1@35.401,17.965 38.1,17.965 39.188,17.965 R4204_1.2@40.64,17.965 40.64,16.986 39.82,16.166 R4205_1.2@38.576,16.166
  Int3 (Sig) w0.152: v2@38.1,18.574 39.37,19.844 76.041,19.844 v1(76.359,20.161)
NetR4202_2_1: R4202_2.1 R4203_2.1 R4204_2.2 R4205_2.2 R4206_2.2 | length 43.5
  Top w0.152: 48.895,17.965 v2(48.895,19.209) ; v1(78.264,19.209) R4206_2.2@78.264,19.87
  Top w0.406: R4203_2.1@48.419,16.166 47.175,16.166 46.355,16.986 R4202_2.1@46.355,17.965 48.895,17.965 50.142,17.965 R4204_2.2@51.594,17.965 51.594,16.986 50.774,16.166 R4205_2.2@49.53,16.166
  Int3 (Sig) w0.152: v2(48.895,19.209) 49.213,19.527 77.946,19.527 v1(78.264,19.209)